# KiCad board Layer0.kicad_pcb (continued)
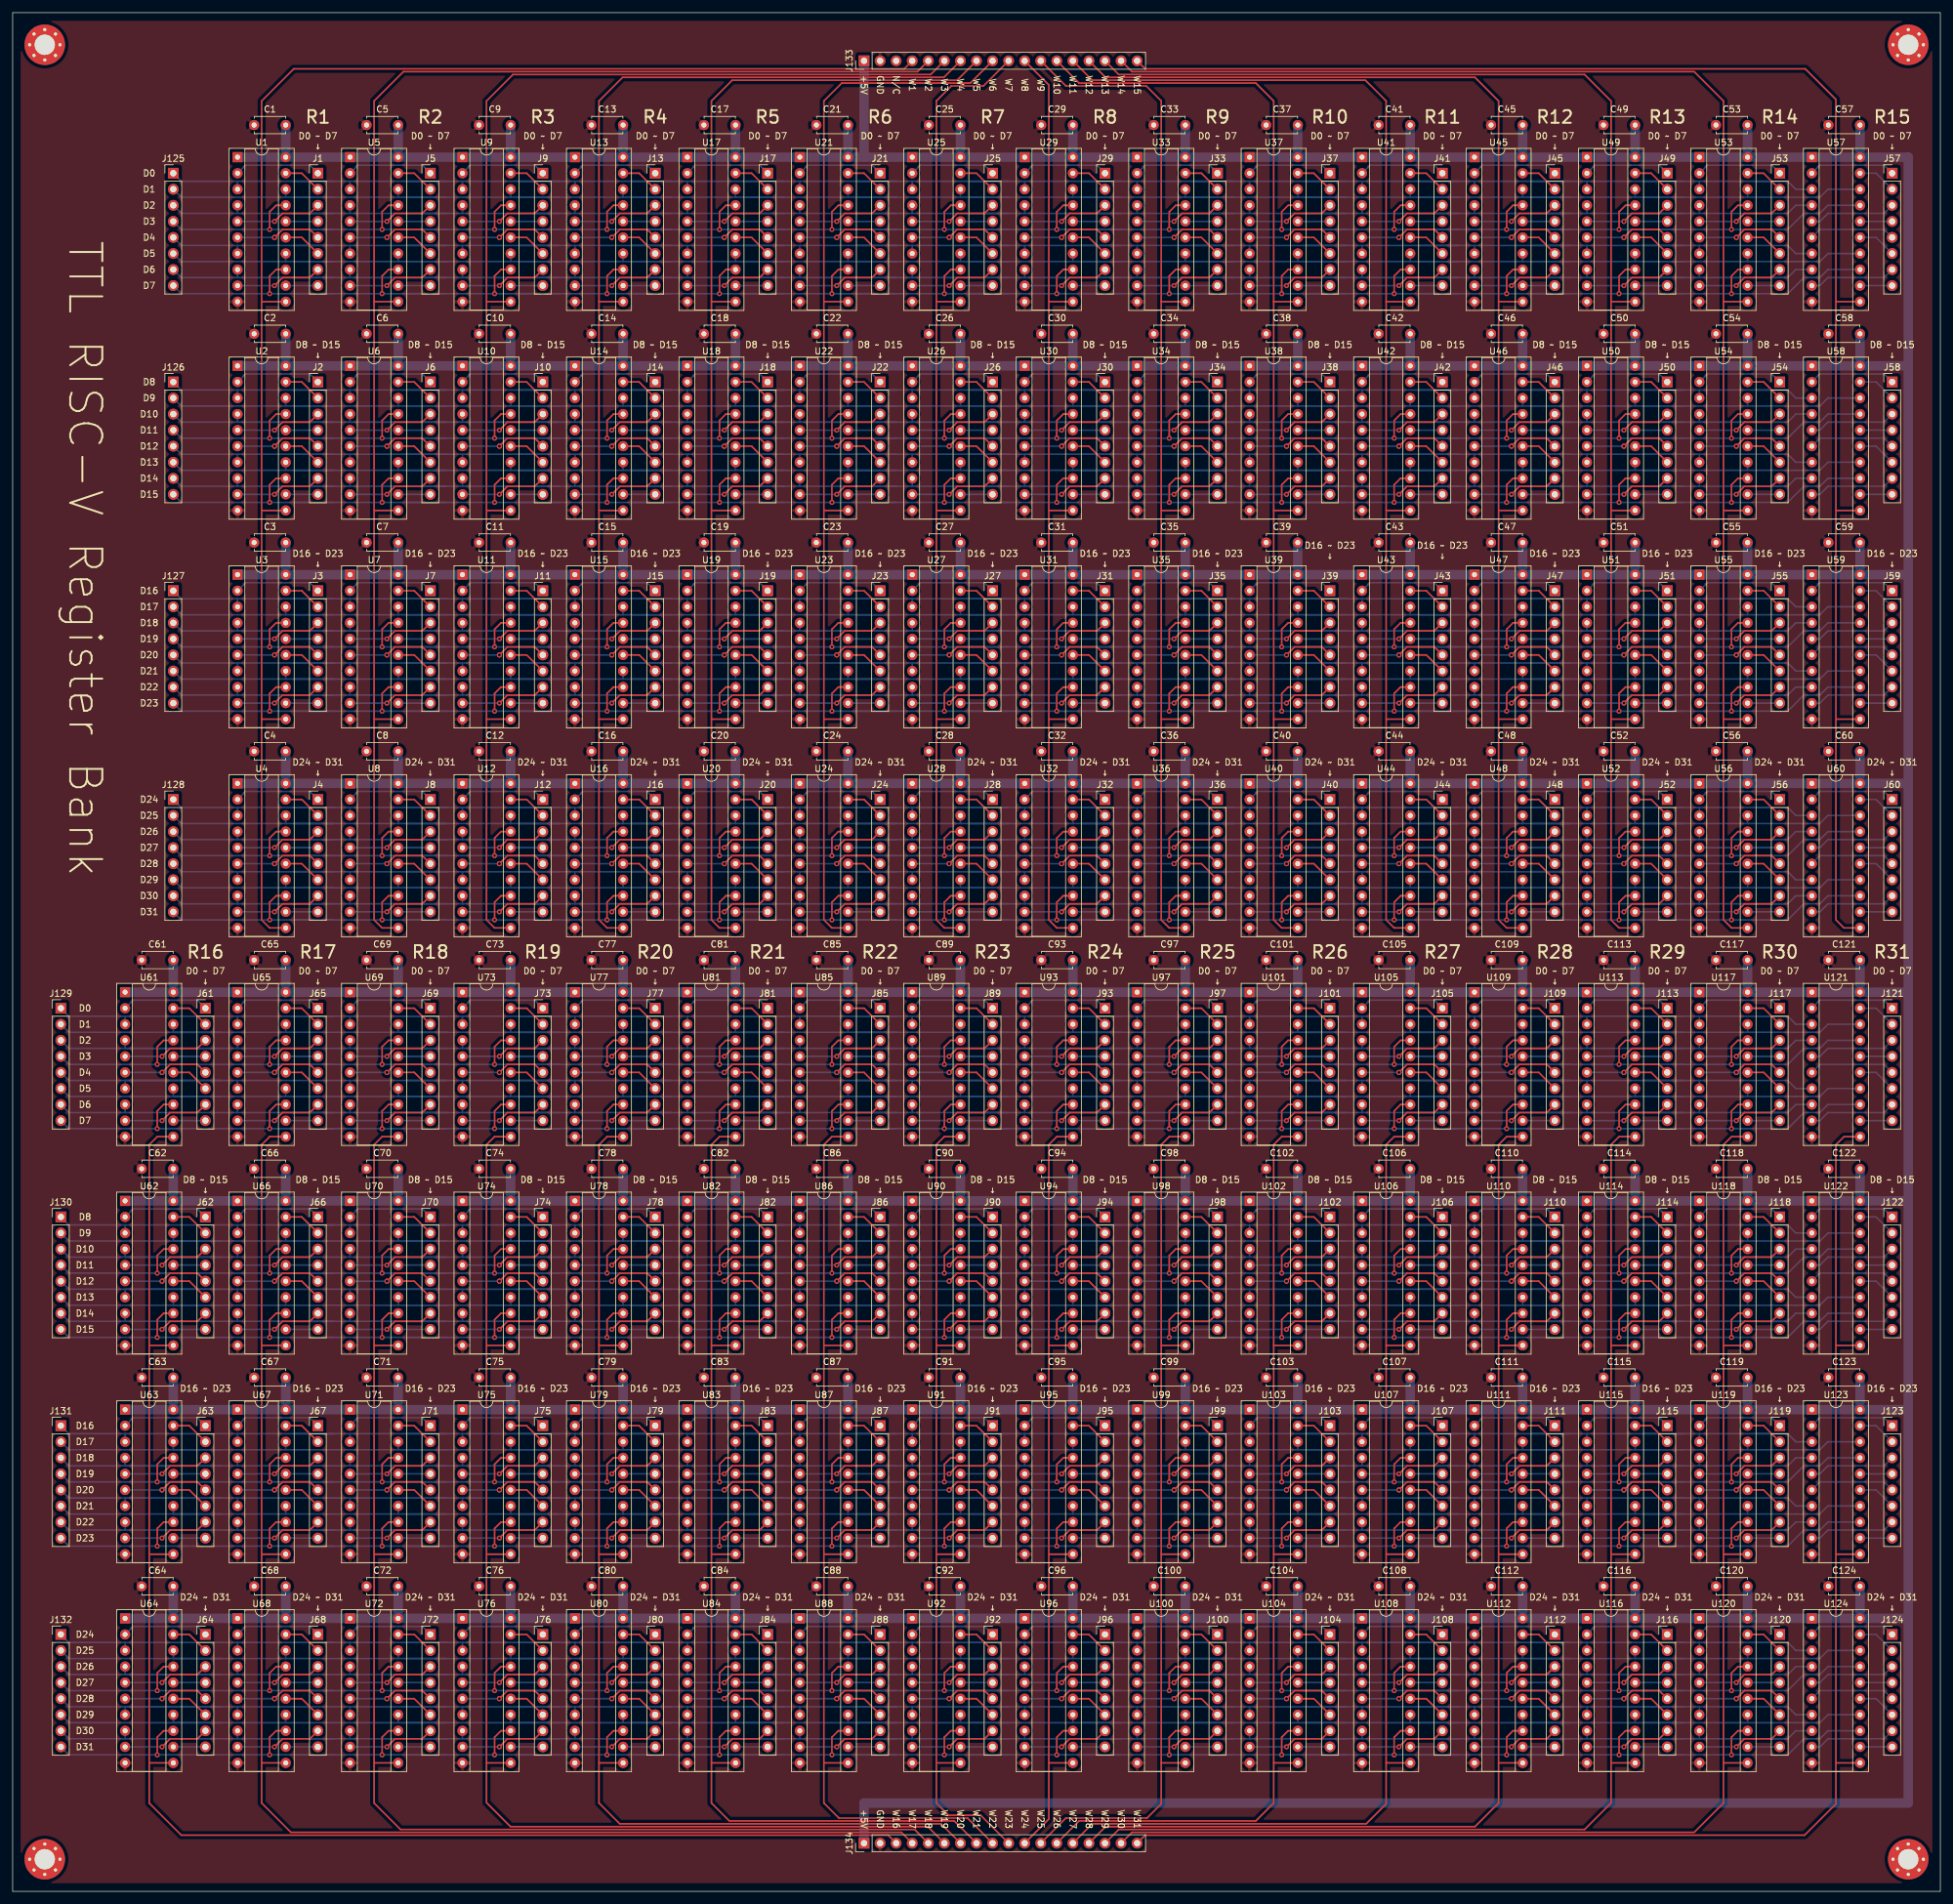
[diagram p0: board, top side]
## Routing (per net, layer and track width the routed paths; a pad name or vN(x,y) marks a point on that pad's centre or on a via; arc(x,y) is an arc through that point) (continued)
Net-(J78-Pad2): length 6.1
  Top w0.25: J78.2 99.06,106.68 U78.19
Net-(J78-Pad3): length 13.8
  Top w0.25: J78.3 100.33,100.33 96.01,100.33 v1(94.74,99.06)
  Bottom w0.25: U78.5 v1(94.74,99.06)
Net-(J78-Pad4): length 5.1
  Bottom w0.25: J78.4 U78.16
Net-(J78-Pad5): length 13.8
  Top w0.25: J78.5 100.33,97.79 96.01,97.79 v1(94.74,96.52)
  Bottom w0.25: U78.6 v1(94.74,96.52)
Net-(J78-Pad6): length 6.1
  Top w0.25: U78.15 99.06,96.52 J78.6
Net-(J78-Pad7): length 13.8
  Top w0.25: J78.7 100.33,90.17 96.01,90.17 v1(94.74,88.9)
  Bottom w0.25: U78.9 v1(94.74,88.9)
Net-(J78-Pad8): length 5.1
  Bottom w0.25: U78.12 J78.8
Net-(J79-Pad1): length 13.8
  Bottom w0.25: U79.2 90.17,74.93 100.33,74.93 J79.1
Net-(J79-Pad2): length 6.1
  Top w0.25: J79.2 99.06,73.66 U79.19
Net-(J79-Pad3): length 13.8
  Top w0.25: J79.3 100.33,67.31 96.01,67.31 v1(94.74,66.04)
  Bottom w0.25: U79.5 v1(94.74,66.04)
Net-(J79-Pad4): length 5.1
  Bottom w0.25: J79.4 U79.16
Net-(J79-Pad5): length 13.8
  Top w0.25: J79.5 100.33,64.77 96.01,64.77 v1(94.74,63.5)
  Bottom w0.25: U79.6 v1(94.74,63.5)
Net-(J79-Pad6): length 6.1
  Top w0.25: U79.15 99.06,63.5 J79.6
Net-(J79-Pad7): length 13.8
  Top w0.25: J79.7 100.33,57.15 96.01,57.15 v1(94.74,55.88)
  Bottom w0.25: U79.9 v1(94.74,55.88)
Net-(J79-Pad8): length 5.1
  Bottom w0.25: U79.12 J79.8
Net-(J80-Pad1): length 13.8
  Bottom w0.25: U80.2 90.17,41.91 100.33,41.91 J80.1
Net-(J80-Pad2): length 6.1
  Top w0.25: J80.2 99.06,40.64 U80.19
Net-(J80-Pad3): length 13.8
  Top w0.25: J80.3 100.33,34.29 96.01,34.29 v1(94.74,33.02)
  Bottom w0.25: U80.5 v1(94.74,33.02)
Net-(J80-Pad4): length 5.1
  Bottom w0.25: J80.4 U80.16
Net-(J80-Pad5): length 13.8
  Top w0.25: J80.5 100.33,31.75 96.01,31.75 v1(94.74,30.48)
  Bottom w0.25: U80.6 v1(94.74,30.48)
Net-(J80-Pad6): length 6.1
  Top w0.25: U80.15 99.06,30.48 J80.6
Net-(J80-Pad7): length 13.8
  Top w0.25: J80.7 100.33,24.13 96.01,24.13 v1(94.74,22.86)
  Bottom w0.25: U80.9 v1(94.74,22.86)
Net-(J80-Pad8): length 5.1
  Bottom w0.25: U80.12 J80.8
Net-(J81-Pad1): length 13.8
  Bottom w0.25: U81.2 107.95,140.97 118.11,140.97 J81.1
Net-(J81-Pad2): length 6.1
  Top w0.25: U81.19 116.84,139.7 J81.2
Net-(J81-Pad3): length 13.8
  Top w0.25: v1(112.52,132.08) 113.79,133.35 118.11,133.35 J81.3
  Bottom w0.25: U81.5 v1(112.52,132.08)
Net-(J81-Pad4): length 5.1
  Bottom w0.25: J81.4 U81.16
Net-(J81-Pad5): length 13.8
  Top w0.25: J81.5 118.11,130.81 113.79,130.81 v1(112.52,129.54)
  Bottom w0.25: U81.6 v1(112.52,129.54)
Net-(J81-Pad6): length 6.1
  Top w0.25: J81.6 116.84,129.54 U81.15
Net-(J81-Pad7): length 13.8
  Top w0.25: v1(112.52,121.92) 113.79,123.19 118.11,123.19 J81.7
  Bottom w0.25: U81.9 v1(112.52,121.92)
Net-(J81-Pad8): length 5.1
  Bottom w0.25: U81.12 J81.8
Net-(J82-Pad1): length 13.8
  Bottom w0.25: U82.2 107.95,107.95 118.11,107.95 J82.1
Net-(J82-Pad2): length 6.1
  Top w0.25: U82.19 116.84,106.68 J82.2
Net-(J82-Pad3): length 13.8
  Top w0.25: v1(112.52,99.06) 113.79,100.33 118.11,100.33 J82.3
  Bottom w0.25: U82.5 v1(112.52,99.06)
Net-(J82-Pad4): length 5.1
  Bottom w0.25: J82.4 U82.16
Net-(J82-Pad5): length 13.8
  Top w0.25: v1(112.52,96.52) 113.79,97.79 118.11,97.79 J82.5
  Bottom w0.25: U82.6 v1(112.52,96.52)
Net-(J82-Pad6): length 6.1
  Top w0.25: J82.6 116.84,96.52 U82.15
Net-(J82-Pad7): length 13.8
  Top w0.25: J82.7 118.11,90.17 113.79,90.17 v1(112.52,88.9)
  Bottom w0.25: U82.9 v1(112.52,88.9)
Net-(J82-Pad8): length 5.1
  Bottom w0.25: U82.12 J82.8
Net-(J83-Pad1): length 13.8
  Bottom w0.25: U83.2 107.95,74.93 118.11,74.93 J83.1
Net-(J83-Pad2): length 6.1
  Top w0.25: U83.19 116.84,73.66 J83.2
Net-(J83-Pad3): length 13.8
  Top w0.25: v1(112.52,66.04) 113.79,67.31 118.11,67.31 J83.3
  Bottom w0.25: U83.5 v1(112.52,66.04)
Net-(J83-Pad4): length 5.1
  Bottom w0.25: J83.4 U83.16
Net-(J83-Pad5): length 13.8
  Top w0.25: v1(112.52,63.5) 113.79,64.77 118.11,64.77 J83.5
  Bottom w0.25: U83.6 v1(112.52,63.5)
Net-(J83-Pad6): length 6.1
  Top w0.25: J83.6 116.84,63.5 U83.15
Net-(J83-Pad7): length 13.8
  Top w0.25: J83.7 118.11,57.15 113.79,57.15 v1(112.52,55.88)
  Bottom w0.25: U83.9 v1(112.52,55.88)
Net-(J83-Pad8): length 5.1
  Bottom w0.25: U83.12 J83.8
Net-(J84-Pad1): length 13.8
  Bottom w0.25: U84.2 107.95,41.91 118.11,41.91 J84.1
Net-(J84-Pad2): length 6.1
  Top w0.25: U84.19 116.84,40.64 J84.2
Net-(J84-Pad3): length 13.8
  Top w0.25: v1(112.52,33.02) 113.79,34.29 118.11,34.29 J84.3
  Bottom w0.25: U84.5 v1(112.52,33.02)
Net-(J84-Pad4): length 5.1
  Bottom w0.25: J84.4 U84.16
Net-(J84-Pad5): length 13.8
  Top w0.25: v1(112.52,30.48) 113.79,31.75 118.11,31.75 J84.5
  Bottom w0.25: U84.6 v1(112.52,30.48)
Net-(J84-Pad6): length 6.1
  Top w0.25: J84.6 116.84,30.48 U84.15
Net-(J84-Pad7): length 13.8
  Top w0.25: J84.7 118.11,24.13 113.79,24.13 v1(112.52,22.86)
  Bottom w0.25: U84.9 v1(112.52,22.86)
Net-(J84-Pad8): length 5.1
  Bottom w0.25: U84.12 J84.8
Net-(J85-Pad1): length 13.8
  Bottom w0.25: U85.2 125.73,140.97 135.89,140.97 J85.1
Net-(J85-Pad2): length 6.1
  Top w0.25: U85.19 134.62,139.7 J85.2
Net-(J85-Pad3): length 13.8
  Top w0.25: v1(130.3,132.08) 131.57,133.35 135.89,133.35 J85.3
  Bottom w0.25: U85.5 v1(130.3,132.08)
Net-(J85-Pad4): length 5.1
  Bottom w0.25: J85.4 U85.16
Net-(J85-Pad5): length 13.8
  Top w0.25: v1(130.3,129.54) 131.57,130.81 135.89,130.81 J85.5
  Bottom w0.25: U85.6 v1(130.3,129.54)
Net-(J85-Pad6): length 6.1
  Top w0.25: U85.15 134.62,129.54 J85.6
Net-(J85-Pad7): length 13.8
  Top w0.25: J85.7 135.89,123.19 131.57,123.19 v1(130.3,121.92)
  Bottom w0.25: U85.9 v1(130.3,121.92)
Net-(J85-Pad8): length 5.1
  Bottom w0.25: U85.12 J85.8
Net-(J86-Pad1): length 13.8
  Bottom w0.25: U86.2 125.73,107.95 135.89,107.95 J86.1
Net-(J86-Pad2): length 6.1
  Top w0.25: U86.19 134.62,106.68 J86.2
Net-(J86-Pad3): length 13.8
  Top w0.25: v1(130.3,99.06) 131.57,100.33 135.89,100.33 J86.3
  Bottom w0.25: U86.5 v1(130.3,99.06)
Net-(J86-Pad4): length 5.1
  Bottom w0.25: J86.4 U86.16
Net-(J86-Pad5): length 13.8
  Top w0.25: v1(130.3,96.52) 131.57,97.79 135.89,97.79 J86.5
  Bottom w0.25: U86.6 v1(130.3,96.52)
Net-(J86-Pad6): length 6.1
  Top w0.25: U86.15 134.62,96.52 J86.6
Net-(J86-Pad7): length 13.8
  Top w0.25: v1(130.3,88.9) 131.57,90.17 135.89,90.17 J86.7
  Bottom w0.25: U86.9 v1(130.3,88.9)
Net-(J86-Pad8): length 5.1
  Bottom w0.25: U86.12 J86.8
Net-(J87-Pad1): length 13.8
  Bottom w0.25: U87.2 125.73,74.93 135.89,74.93 J87.1
Net-(J87-Pad2): length 6.1
  Top w0.25: U87.19 134.62,73.66 J87.2
Net-(J87-Pad3): length 13.8
  Top w0.25: v1(130.3,66.04) 131.57,67.31 135.89,67.31 J87.3
  Bottom w0.25: U87.5 v1(130.3,66.04)
Net-(J87-Pad4): length 5.1
  Bottom w0.25: J87.4 U87.16
Net-(J87-Pad5): length 13.8
  Top w0.25: v1(130.3,63.5) 131.57,64.77 135.89,64.77 J87.5
  Bottom w0.25: U87.6 v1(130.3,63.5)
Net-(J87-Pad6): length 6.1
  Top w0.25: U87.15 134.62,63.5 J87.6
Net-(J87-Pad7): length 13.8
  Top w0.25: v1(130.3,55.88) 131.57,57.15 135.89,57.15 J87.7
  Bottom w0.25: U87.9 v1(130.3,55.88)
Net-(J87-Pad8): length 5.1
  Bottom w0.25: U87.12 J87.8
Net-(J88-Pad1): length 13.8
  Bottom w0.25: U88.2 125.73,41.91 135.89,41.91 J88.1
Net-(J88-Pad2): length 6.1
  Top w0.25: U88.19 134.62,40.64 J88.2
Net-(J88-Pad3): length 13.8
  Top w0.25: v1(130.3,33.02) 131.57,34.29 135.89,34.29 J88.3
  Bottom w0.25: U88.5 v1(130.3,33.02)
Net-(J88-Pad4): length 5.1
  Bottom w0.25: J88.4 U88.16
Net-(J88-Pad5): length 13.8
  Top w0.25: v1(130.3,30.48) 131.57,31.75 135.89,31.75 J88.5
  Bottom w0.25: U88.6 v1(130.3,30.48)
Net-(J88-Pad6): length 6.1
  Top w0.25: U88.15 134.62,30.48 J88.6
Net-(J88-Pad7): length 13.8
  Top w0.25: v1(130.3,22.86) 131.57,24.13 135.89,24.13 J88.7
  Bottom w0.25: U88.9 v1(130.3,22.86)
Net-(J88-Pad8): length 5.1
  Bottom w0.25: U88.12 J88.8
Net-(J89-Pad1): length 13.8
  Bottom w0.25: U89.2 143.51,140.97 153.67,140.97 J89.1
Net-(J89-Pad2): length 6.1
  Top w0.25: U89.19 152.4,139.7 J89.2
Net-(J89-Pad3): length 13.8
  Top w0.25: v1(148.08,132.08) 149.35,133.35 153.67,133.35 J89.3
  Bottom w0.25: U89.5 v1(148.08,132.08)
Net-(J89-Pad4): length 5.1
  Bottom w0.25: J89.4 U89.16
Net-(J89-Pad5): length 13.8
  Top w0.25: J89.5 153.67,130.81 149.35,130.81 v1(148.08,129.54)
  Bottom w0.25: U89.6 v1(148.08,129.54)
Net-(J89-Pad6): length 6.1
  Top w0.25: J89.6 152.4,129.54 U89.15
Net-(J89-Pad7): length 13.8
  Top w0.25: v1(148.08,121.92) 149.35,123.19 153.67,123.19 J89.7
  Bottom w0.25: U89.9 v1(148.08,121.92)
Net-(J89-Pad8): length 5.1
  Bottom w0.25: U89.12 J89.8
Net-(J90-Pad1): length 13.8
  Bottom w0.25: U90.2 143.51,107.95 153.67,107.95 J90.1
Net-(J90-Pad2): length 6.1
  Top w0.25: J90.2 152.4,106.68 U90.19
Net-(J90-Pad3): length 13.8
  Top w0.25: v1(148.08,99.06) 149.35,100.33 153.67,100.33 J90.3
  Bottom w0.25: U90.5 v1(148.08,99.06)
Net-(J90-Pad4): length 5.1
  Bottom w0.25: J90.4 U90.16
Net-(J90-Pad5): length 13.8
  Top w0.25: v1(148.08,96.52) 149.35,97.79 153.67,97.79 J90.5
  Bottom w0.25: U90.6 v1(148.08,96.52)
Net-(J90-Pad6): length 6.1
  Top w0.25: J90.6 152.4,96.52 U90.15
Net-(J90-Pad7): length 13.8
  Top w0.25: v1(148.08,88.9) 149.35,90.17 153.67,90.17 J90.7
  Bottom w0.25: U90.9 v1(148.08,88.9)
Net-(J90-Pad8): length 5.1
  Bottom w0.25: U90.12 J90.8
Net-(J91-Pad1): length 13.8
  Bottom w0.25: U91.2 143.51,74.93 153.67,74.93 J91.1
Net-(J91-Pad2): length 6.1
  Top w0.25: J91.2 152.4,73.66 U91.19
Net-(J91-Pad3): length 13.8
  Top w0.25: v1(148.08,66.04) 149.35,67.31 153.67,67.31 J91.3
  Bottom w0.25: U91.5 v1(148.08,66.04)
Net-(J91-Pad4): length 5.1
  Bottom w0.25: J91.4 U91.16
Net-(J91-Pad5): length 13.8
  Top w0.25: v1(148.08,63.5) 149.35,64.77 153.67,64.77 J91.5
  Bottom w0.25: U91.6 v1(148.08,63.5)
Net-(J91-Pad6): length 6.1
  Top w0.25: J91.6 152.4,63.5 U91.15
Net-(J91-Pad7): length 13.8
  Top w0.25: v1(148.08,55.88) 149.35,57.15 153.67,57.15 J91.7
  Bottom w0.25: U91.9 v1(148.08,55.88)
Net-(J91-Pad8): length 5.1
  Bottom w0.25: U91.12 J91.8
Net-(J92-Pad1): length 13.8
  Bottom w0.25: U92.2 143.51,41.91 153.67,41.91 J92.1
Net-(J92-Pad2): length 6.1
  Top w0.25: J92.2 152.4,40.64 U92.19
Net-(J92-Pad3): length 13.8
  Top w0.25: v1(148.08,33.02) 149.35,34.29 153.67,34.29 J92.3
  Bottom w0.25: U92.5 v1(148.08,33.02)
Net-(J92-Pad4): length 5.1
  Bottom w0.25: J92.4 U92.16
Net-(J92-Pad5): length 13.8
  Top w0.25: v1(148.08,30.48) 149.35,31.75 153.67,31.75 J92.5
  Bottom w0.25: U92.6 v1(148.08,30.48)
Net-(J92-Pad6): length 6.1
  Top w0.25: J92.6 152.4,30.48 U92.15
Net-(J92-Pad7): length 13.8
  Top w0.25: v1(148.08,22.86) 149.35,24.13 153.67,24.13 J92.7
  Bottom w0.25: U92.9 v1(148.08,22.86)
Net-(J92-Pad8): length 5.1
  Bottom w0.25: U92.12 J92.8
Net-(J93-Pad1): length 13.8
  Bottom w0.25: J93.1 171.45,140.97 161.29,140.97 U93.2
Net-(J93-Pad2): length 6.1
  Top w0.25: U93.19 170.18,139.7 J93.2
Net-(J93-Pad3): length 13.8
  Top w0.25: J93.3 171.45,133.35 167.13,133.35 v1(165.86,132.08)
  Bottom w0.25: U93.5 v1(165.86,132.08)
Net-(J93-Pad4): length 5.1
  Bottom w0.25: J93.4 U93.16
Net-(J93-Pad5): length 13.8
  Top w0.25: v1(165.86,129.54) 167.13,130.81 171.45,130.81 J93.5
  Bottom w0.25: U93.6 v1(165.86,129.54)
Net-(J93-Pad6): length 6.1
  Top w0.25: U93.15 170.18,129.54 J93.6
Net-(J93-Pad7): length 13.8
  Top w0.25: J93.7 171.45,123.19 167.13,123.19 v1(165.86,121.92)
  Bottom w0.25: U93.9 v1(165.86,121.92)
Net-(J93-Pad8): length 5.1
  Bottom w0.25: U93.12 J93.8
Net-(J94-Pad1): length 13.8
  Bottom w0.25: J94.1 171.45,107.95 161.29,107.95 U94.2
Net-(J94-Pad2): length 6.1
  Top w0.25: U94.19 170.18,106.68 J94.2
Net-(J94-Pad3): length 13.8
  Top w0.25: J94.3 171.45,100.33 167.13,100.33 v1(165.86,99.06)
  Bottom w0.25: U94.5 v1(165.86,99.06)
Net-(J94-Pad4): length 5.1
  Bottom w0.25: J94.4 U94.16
Net-(J94-Pad5): length 13.8
  Top w0.25: v1(165.86,96.52) 167.13,97.79 171.45,97.79 J94.5
  Bottom w0.25: U94.6 v1(165.86,96.52)
Net-(J94-Pad6): length 6.1
  Top w0.25: U94.15 170.18,96.52 J94.6
Net-(J94-Pad7): length 13.8
  Top w0.25: J94.7 171.45,90.17 167.13,90.17 v1(165.86,88.9)
  Bottom w0.25: U94.9 v1(165.86,88.9)
Net-(J94-Pad8): length 5.1
  Bottom w0.25: U94.12 J94.8
Net-(J95-Pad1): length 13.8
  Bottom w0.25: J95.1 171.45,74.93 161.29,74.93 U95.2
Net-(J95-Pad2): length 6.1
  Top w0.25: U95.19 170.18,73.66 J95.2
Net-(J95-Pad3): length 13.8
  Top w0.25: J95.3 171.45,67.31 167.13,67.31 v1(165.86,66.04)
  Bottom w0.25: U95.5 v1(165.86,66.04)
Net-(J95-Pad4): length 5.1
  Bottom w0.25: J95.4 U95.16
Net-(J95-Pad5): length 13.8
  Top w0.25: v1(165.86,63.5) 167.13,64.77 171.45,64.77 J95.5
  Bottom w0.25: U95.6 v1(165.86,63.5)
Net-(J95-Pad6): length 6.1
  Top w0.25: U95.15 170.18,63.5 J95.6
Net-(J95-Pad7): length 13.8
  Top w0.25: J95.7 171.45,57.15 167.13,57.15 v1(165.86,55.88)
  Bottom w0.25: U95.9 v1(165.86,55.88)
Net-(J95-Pad8): length 5.1
  Bottom w0.25: U95.12 J95.8
Net-(J96-Pad1): length 13.8
  Bottom w0.25: J96.1 171.45,41.91 161.29,41.91 U96.2
Net-(J96-Pad2): length 6.1
  Top w0.25: U96.19 170.18,40.64 J96.2
Net-(J96-Pad3): length 13.8
  Top w0.25: J96.3 171.45,34.29 167.13,34.29 v1(165.86,33.02)
  Bottom w0.25: U96.5 v1(165.86,33.02)
Net-(J96-Pad4): length 5.1
  Bottom w0.25: J96.4 U96.16
Net-(J96-Pad5): length 13.8
  Top w0.25: v1(165.86,30.48) 167.13,31.75 171.45,31.75 J96.5
  Bottom w0.25: U96.6 v1(165.86,30.48)
Net-(J96-Pad6): length 6.1
  Top w0.25: U96.15 170.18,30.48 J96.6
Net-(J96-Pad7): length 13.8
  Top w0.25: J96.7 171.45,24.13 167.13,24.13 v1(165.86,22.86)
  Bottom w0.25: U96.9 v1(165.86,22.86)
Net-(J96-Pad8): length 5.1
  Bottom w0.25: U96.12 J96.8
Net-(J97-Pad1): length 13.8
  Bottom w0.25: J97.1 189.23,140.97 179.07,140.97 U97.2
Net-(J97-Pad2): length 6.1
  Top w0.25: J97.2 187.96,139.7 U97.19
Net-(J97-Pad3): length 13.8
  Top w0.25: J97.3 189.23,133.35 184.91,133.35 v1(183.64,132.08)
  Bottom w0.25: U97.5 v1(183.64,132.08)
Net-(J97-Pad4): length 5.1
  Bottom w0.25: J97.4 U97.16
Net-(J97-Pad5): length 13.8
  Top w0.25: v1(183.64,129.54) 184.91,130.81 189.23,130.81 J97.5
  Bottom w0.25: U97.6 v1(183.64,129.54)
Net-(J97-Pad6): length 6.1
  Top w0.25: U97.15 187.96,129.54 J97.6
Net-(J97-Pad7): length 13.8
  Top w0.25: v1(183.64,121.92) 184.91,123.19 189.23,123.19 J97.7
  Bottom w0.25: U97.9 v1(183.64,121.92)
Net-(J97-Pad8): length 5.1
  Bottom w0.25: U97.12 J97.8
Net-(J98-Pad1): length 13.8
  Bottom w0.25: J98.1 189.23,107.95 179.07,107.95 U98.2
Net-(J98-Pad2): length 6.1
  Top w0.25: J98.2 187.96,106.68 U98.19
Net-(J98-Pad3): length 13.8
  Top w0.25: J98.3 189.23,100.33 184.91,100.33 v1(183.64,99.06)
  Bottom w0.25: U98.5 v1(183.64,99.06)
Net-(J98-Pad4): length 5.1
  Bottom w0.25: J98.4 U98.16
Net-(J98-Pad5): length 13.8
  Top w0.25: v1(183.64,96.52) 184.91,97.79 189.23,97.79 J98.5
  Bottom w0.25: U98.6 v1(183.64,96.52)
Net-(J98-Pad6): length 6.1
  Top w0.25: U98.15 187.96,96.52 J98.6
Net-(J98-Pad7): length 13.8
  Top w0.25: v1(183.64,88.9) 184.91,90.17 189.23,90.17 J98.7
  Bottom w0.25: U98.9 v1(183.64,88.9)
Net-(J98-Pad8): length 5.1
  Bottom w0.25: U98.12 J98.8
Net-(J99-Pad1): length 13.8
  Bottom w0.25: J99.1 189.23,74.93 179.07,74.93 U99.2
Net-(J99-Pad2): length 6.1
  Top w0.25: J99.2 187.96,73.66 U99.19
Net-(J99-Pad3): length 13.8
  Top w0.25: J99.3 189.23,67.31 184.91,67.31 v1(183.64,66.04)
  Bottom w0.25: U99.5 v1(183.64,66.04)
Net-(J99-Pad4): length 5.1
  Bottom w0.25: J99.4 U99.16
Net-(J99-Pad5): length 13.8
  Top w0.25: v1(183.64,63.5) 184.91,64.77 189.23,64.77 J99.5
  Bottom w0.25: U99.6 v1(183.64,63.5)
Net-(J99-Pad6): length 6.1
  Top w0.25: U99.15 187.96,63.5 J99.6
Net-(J99-Pad7): length 13.8
  Top w0.25: v1(183.64,55.88) 184.91,57.15 189.23,57.15 J99.7
  Bottom w0.25: U99.9 v1(183.64,55.88)
Net-(J99-Pad8): length 5.1
  Bottom w0.25: U99.12 J99.8
Net-(J100-Pad1): length 13.8
  Bottom w0.25: J100.1 189.23,41.91 179.07,41.91 U100.2
Net-(J100-Pad2): length 6.1
  Top w0.25: J100.2 187.96,40.64 U100.19
Net-(J100-Pad3): length 13.8
  Top w0.25: J100.3 189.23,34.29 184.91,34.29 v1(183.64,33.02)
  Bottom w0.25: U100.5 v1(183.64,33.02)
Net-(J100-Pad4): length 5.1
  Bottom w0.25: J100.4 U100.16
Net-(J100-Pad5): length 13.8
  Top w0.25: v1(183.64,30.48) 184.91,31.75 189.23,31.75 J100.5
  Bottom w0.25: U100.6 v1(183.64,30.48)
Net-(J100-Pad6): length 6.1
  Top w0.25: U100.15 187.96,30.48 J100.6
Net-(J100-Pad7): length 13.8
  Top w0.25: v1(183.64,22.86) 184.91,24.13 189.23,24.13 J100.7
  Bottom w0.25: U100.9 v1(183.64,22.86)
Net-(J100-Pad8): length 5.1
  Bottom w0.25: U100.12 J100.8
Net-(J101-Pad1): length 13.8
  Bottom w0.25: J101.1 207.01,140.97 196.85,140.97 U101.2
Net-(J101-Pad2): length 6.1
  Top w0.25: J101.2 205.74,139.7 U101.19
Net-(J101-Pad3): length 13.8
  Top w0.25: J101.3 207.01,133.35 202.69,133.35 v1(201.42,132.08)
  Bottom w0.25: U101.5 v1(201.42,132.08)
Net-(J101-Pad4): length 5.1
  Bottom w0.25: J101.4 U101.16
Net-(J101-Pad5): length 13.8
  Top w0.25: v1(201.42,129.54) 202.69,130.81 207.01,130.81 J101.5
  Bottom w0.25: U101.6 v1(201.42,129.54)
Net-(J101-Pad6): length 6.1
  Top w0.25: U101.15 205.74,129.54 J101.6
Net-(J101-Pad7): length 13.8
  Top w0.25: J101.7 207.01,123.19 202.69,123.19 v1(201.42,121.92)
  Bottom w0.25: U101.9 v1(201.42,121.92)
Net-(J101-Pad8): length 5.1
  Bottom w0.25: U101.12 J101.8
Net-(J102-Pad1): length 13.8
  Bottom w0.25: J102.1 207.01,107.95 196.85,107.95 U102.2
Net-(J102-Pad2): length 6.1
  Top w0.25: J102.2 205.74,106.68 U102.19
Net-(J102-Pad3): length 13.8
  Top w0.25: J102.3 207.01,100.33 202.69,100.33 v1(201.42,99.06)
  Bottom w0.25: U102.5 v1(201.42,99.06)
Net-(J102-Pad4): length 5.1
  Bottom w0.25: J102.4 U102.16
Net-(J102-Pad5): length 13.8
  Top w0.25: v1(201.42,96.52) 202.69,97.79 207.01,97.79 J102.5
  Bottom w0.25: U102.6 v1(201.42,96.52)
Net-(J102-Pad6): length 6.1
  Top w0.25: U102.15 205.74,96.52 J102.6
Net-(J102-Pad7): length 13.8
  Top w0.25: J102.7 207.01,90.17 202.69,90.17 v1(201.42,88.9)
  Bottom w0.25: U102.9 v1(201.42,88.9)
Net-(J102-Pad8): length 5.1
  Bottom w0.25: U102.12 J102.8
Net-(J103-Pad1): length 13.8
  Bottom w0.25: J103.1 207.01,74.93 196.85,74.93 U103.2
Net-(J103-Pad2): length 6.1
  Top w0.25: J103.2 205.74,73.66 U103.19
Net-(J103-Pad3): length 13.8
  Top w0.25: J103.3 207.01,67.31 202.69,67.31 v1(201.42,66.04)
  Bottom w0.25: U103.5 v1(201.42,66.04)
Net-(J103-Pad4): length 5.1
  Bottom w0.25: J103.4 U103.16
Net-(J103-Pad5): length 13.8
  Top w0.25: v1(201.42,63.5) 202.69,64.77 207.01,64.77 J103.5
  Bottom w0.25: U103.6 v1(201.42,63.5)
Net-(J103-Pad6): length 6.1
  Top w0.25: U103.15 205.74,63.5 J103.6
Net-(J103-Pad7): length 13.8
  Top w0.25: J103.7 207.01,57.15 202.69,57.15 v1(201.42,55.88)
  Bottom w0.25: U103.9 v1(201.42,55.88)
Net-(J103-Pad8): length 5.1
  Bottom w0.25: U103.12 J103.8
Net-(J104-Pad1): length 13.8
  Bottom w0.25: J104.1 207.01,41.91 196.85,41.91 U104.2
Net-(J104-Pad2): length 6.1
  Top w0.25: J104.2 205.74,40.64 U104.19
Net-(J104-Pad3): length 13.8
  Top w0.25: J104.3 207.01,34.29 202.69,34.29 v1(201.42,33.02)
  Bottom w0.25: U104.5 v1(201.42,33.02)
Net-(J104-Pad4): length 5.1
  Bottom w0.25: J104.4 U104.16
Net-(J104-Pad5): length 13.8
  Top w0.25: v1(201.42,30.48) 202.69,31.75 207.01,31.75 J104.5
  Bottom w0.25: U104.6 v1(201.42,30.48)
Net-(J104-Pad6): length 6.1
  Top w0.25: U104.15 205.74,30.48 J104.6
Net-(J104-Pad7): length 13.8
  Top w0.25: J104.7 207.01,24.13 202.69,24.13 v1(201.42,22.86)
  Bottom w0.25: U104.9 v1(201.42,22.86)
Net-(J104-Pad8): length 5.1
  Bottom w0.25: U104.12 J104.8
Net-(J105-Pad1): length 13.8
  Bottom w0.25: J105.1 224.79,140.97 214.63,140.97 U105.2
Net-(J105-Pad2): length 6.1
  Top w0.25: J105.2 223.52,139.7 U105.19
Net-(J105-Pad3): length 13.8
  Top w0.25: J105.3 224.79,133.35 220.47,133.35 v1(219.2,132.08)
  Bottom w0.25: U105.5 v1(219.2,132.08)
Net-(J105-Pad4): length 5.1
  Bottom w0.25: J105.4 U105.16
Net-(J105-Pad5): length 13.8
  Top w0.25: J105.5 224.79,130.81 220.47,130.81 v1(219.2,129.54)
  Bottom w0.25: U105.6 v1(219.2,129.54)
Net-(J105-Pad6): length 6.1
  Top w0.25: U105.15 223.52,129.54 J105.6
Net-(J105-Pad7): length 13.8
  Top w0.25: J105.7 224.79,123.19 220.47,123.19 v1(219.2,121.92)
  Bottom w0.25: U105.9 v1(219.2,121.92)
Net-(J105-Pad8): length 5.1
  Bottom w0.25: U105.12 J105.8
Net-(J106-Pad1): length 13.8
  Bottom w0.25: J106.1 224.79,107.95 214.63,107.95 U106.2
Net-(J106-Pad2): length 6.1
  Top w0.25: J106.2 223.52,106.68 U106.19
Net-(J106-Pad3): length 13.8
  Top w0.25: J106.3 224.79,100.33 220.47,100.33 v1(219.2,99.06)
  Bottom w0.25: U106.5 v1(219.2,99.06)
Net-(J106-Pad4): length 5.1
  Bottom w0.25: J106.4 U106.16
Net-(J106-Pad5): length 13.8
  Top w0.25: J106.5 224.79,97.79 220.47,97.79 v1(219.2,96.52)
  Bottom w0.25: U106.6 v1(219.2,96.52)
Net-(J106-Pad6): length 6.1
  Top w0.25: U106.15 223.52,96.52 J106.6
Net-(J106-Pad7): length 13.8
  Top w0.25: J106.7 224.79,90.17 220.47,90.17 v1(219.2,88.9)
  Bottom w0.25: U106.9 v1(219.2,88.9)
Net-(J106-Pad8): length 5.1
  Bottom w0.25: U106.12 J106.8
Net-(J107-Pad1): length 13.8
  Bottom w0.25: J107.1 224.79,74.93 214.63,74.93 U107.2
Net-(J107-Pad2): length 6.1
  Top w0.25: J107.2 223.52,73.66 U107.19
Net-(J107-Pad3): length 13.8
  Top w0.25: J107.3 224.79,67.31 220.47,67.31 v1(219.2,66.04)
  Bottom w0.25: U107.5 v1(219.2,66.04)
Net-(J107-Pad4): length 5.1
  Bottom w0.25: J107.4 U107.16
Net-(J107-Pad5): length 13.8
  Top w0.25: J107.5 224.79,64.77 220.47,64.77 v1(219.2,63.5)
  Bottom w0.25: U107.6 v1(219.2,63.5)
Net-(J107-Pad6): length 6.1
  Top w0.25: U107.15 223.52,63.5 J107.6
Net-(J107-Pad7): length 13.8
  Top w0.25: J107.7 224.79,57.15 220.47,57.15 v1(219.2,55.88)
  Bottom w0.25: U107.9 v1(219.2,55.88)
Net-(J107-Pad8): length 5.1
  Bottom w0.25: U107.12 J107.8
Net-(J108-Pad1): length 13.8
  Bottom w0.25: J108.1 224.79,41.91 214.63,41.91 U108.2
Net-(J108-Pad2): length 6.1
  Top w0.25: J108.2 223.52,40.64 U108.19
Net-(J108-Pad3): length 13.8
  Top w0.25: J108.3 224.79,34.29 220.47,34.29 v1(219.2,33.02)
  Bottom w0.25: U108.5 v1(219.2,33.02)
Net-(J108-Pad4): length 5.1
  Bottom w0.25: J108.4 U108.16
Net-(J108-Pad5): length 13.8
  Top w0.25: J108.5 224.79,31.75 220.47,31.75 v1(219.2,30.48)
  Bottom w0.25: U108.6 v1(219.2,30.48)
Net-(J108-Pad6): length 6.1
  Top w0.25: U108.15 223.52,30.48 J108.6
Net-(J108-Pad7): length 13.8
  Top w0.25: J108.7 224.79,24.13 220.47,24.13 v1(219.2,22.86)
  Bottom w0.25: U108.9 v1(219.2,22.86)
Net-(J108-Pad8): length 5.1
  Bottom w0.25: U108.12 J108.8
Net-(J109-Pad1): length 13.8
  Bottom w0.25: U109.2 232.41,140.97 242.57,140.97 J109.1
Net-(J109-Pad2): length 6.1
  Top w0.25: J109.2 241.3,139.7 U109.19
Net-(J109-Pad3): length 13.8
  Top w0.25: v1(236.98,132.08) 238.25,133.35 242.57,133.35 J109.3
  Bottom w0.25: U109.5 v1(236.98,132.08)
Net-(J109-Pad4): length 5.1
  Bottom w0.25: J109.4 U109.16
Net-(J109-Pad5): length 13.8
  Top w0.25: J109.5 242.57,130.81 238.25,130.81 v1(236.98,129.54)
  Bottom w0.25: U109.6 v1(236.98,129.54)
Net-(J109-Pad6): length 6.1
  Top w0.25: U109.15 241.3,129.54 J109.6
Net-(J109-Pad7): length 13.8
  Top w0.25: J109.7 242.57,123.19 238.25,123.19 v1(236.98,121.92)
  Bottom w0.25: U109.9 v1(236.98,121.92)
Net-(J109-Pad8): length 5.1
  Bottom w0.25: U109.12 J109.8
Net-(J110-Pad1): length 13.8
  Bottom w0.25: U110.2 232.41,107.95 242.57,107.95 J110.1
Net-(J110-Pad2): length 6.1
  Top w0.25: J110.2 241.3,106.68 U110.19
Net-(J110-Pad3): length 13.8
  Top w0.25: v1(236.98,99.06) 238.25,100.33 242.57,100.33 J110.3
  Bottom w0.25: U110.5 v1(236.98,99.06)
Net-(J110-Pad4): length 5.1
  Bottom w0.25: J110.4 U110.16
Net-(J110-Pad5): length 13.8
  Top w0.25: J110.5 242.57,97.79 238.25,97.79 v1(236.98,96.52)
  Bottom w0.25: U110.6 v1(236.98,96.52)
Net-(J110-Pad6): length 6.1
  Top w0.25: U110.15 241.3,96.52 J110.6
Net-(J110-Pad7): length 13.8
  Top w0.25: J110.7 242.57,90.17 238.25,90.17 v1(236.98,88.9)
  Bottom w0.25: U110.9 v1(236.98,88.9)
Net-(J110-Pad8): length 5.1
  Bottom w0.25: U110.12 J110.8
Net-(J111-Pad1): length 13.8
  Bottom w0.25: U111.2 232.41,74.93 242.57,74.93 J111.1
Net-(J111-Pad2): length 6.1
  Top w0.25: J111.2 241.3,73.66 U111.19
Net-(J111-Pad3): length 13.8
  Top w0.25: v1(236.98,66.04) 238.25,67.31 242.57,67.31 J111.3
  Bottom w0.25: U111.5 v1(236.98,66.04)
Net-(J111-Pad4): length 5.1
  Bottom w0.25: J111.4 U111.16
Net-(J111-Pad5): length 13.8
  Top w0.25: J111.5 242.57,64.77 238.25,64.77 v1(236.98,63.5)
  Bottom w0.25: U111.6 v1(236.98,63.5)
Net-(J111-Pad6): length 6.1
  Top w0.25: U111.15 241.3,63.5 J111.6
Net-(J111-Pad7): length 13.8
  Top w0.25: J111.7 242.57,57.15 238.25,57.15 v1(236.98,55.88)
  Bottom w0.25: U111.9 v1(236.98,55.88)
Net-(J111-Pad8): length 5.1
  Bottom w0.25: U111.12 J111.8
Net-(J112-Pad1): length 13.8
  Bottom w0.25: U112.2 232.41,41.91 242.57,41.91 J112.1
Net-(J112-Pad2): length 6.1
  Top w0.25: J112.2 241.3,40.64 U112.19
Net-(J112-Pad3): length 13.8
  Top w0.25: v1(236.98,33.02) 238.25,34.29 242.57,34.29 J112.3
  Bottom w0.25: U112.5 v1(236.98,33.02)
Net-(J112-Pad4): length 5.1
  Bottom w0.25: J112.4 U112.16
Net-(J112-Pad5): length 13.8
  Top w0.25: J112.5 242.57,31.75 238.25,31.75 v1(236.98,30.48)
  Bottom w0.25: U112.6 v1(236.98,30.48)
Net-(J112-Pad6): length 6.1
  Top w0.25: U112.15 241.3,30.48 J112.6
Net-(J112-Pad7): length 13.8
  Top w0.25: J112.7 242.57,24.13 238.25,24.13 v1(236.98,22.86)
  Bottom w0.25: U112.9 v1(236.98,22.86)
Net-(J112-Pad8): length 5.1
  Bottom w0.25: U112.12 J112.8
Net-(J113-Pad1): length 13.8
  Bottom w0.25: J113.1 260.35,140.97 250.19,140.97 U113.2
Net-(J113-Pad2): length 6.1
  Top w0.25: J113.2 259.08,139.7 U113.19
Net-(J113-Pad3): length 13.8
  Top w0.25: v1(254.76,132.08) 256.03,133.35 260.35,133.35 J113.3
  Bottom w0.25: U113.5 v1(254.76,132.08)
Net-(J113-Pad4): length 5.1
  Bottom w0.25: J113.4 U113.16
Net-(J113-Pad5): length 13.8
  Top w0.25: J113.5 260.35,130.81 256.03,130.81 v1(254.76,129.54)
  Bottom w0.25: U113.6 v1(254.76,129.54)
Net-(J113-Pad6): length 6.1
  Top w0.25: U113.15 259.08,129.54 J113.6
Net-(J113-Pad7): length 13.8
  Top w0.25: v1(254.76,121.92) 256.03,123.19 260.35,123.19 J113.7
  Bottom w0.25: U113.9 v1(254.76,121.92)
Net-(J113-Pad8): length 5.1
  Bottom w0.25: U113.12 J113.8
Net-(J114-Pad1): length 13.8
  Bottom w0.25: J114.1 260.35,107.95 250.19,107.95 U114.2
Net-(J114-Pad2): length 6.1
  Top w0.25: J114.2 259.08,106.68 U114.19
Net-(J114-Pad3): length 13.8
  Top w0.25: v1(254.76,99.06) 256.03,100.33 260.35,100.33 J114.3
  Bottom w0.25: U114.5 v1(254.76,99.06)
Net-(J114-Pad4): length 5.1
  Bottom w0.25: J114.4 U114.16
Net-(J114-Pad5): length 13.8
  Top w0.25: J114.5 260.35,97.79 256.03,97.79 v1(254.76,96.52)
  Bottom w0.25: U114.6 v1(254.76,96.52)
Net-(J114-Pad6): length 6.1
  Top w0.25: U114.15 259.08,96.52 J114.6
Net-(J114-Pad7): length 13.8
  Top w0.25: v1(254.76,88.9) 256.03,90.17 260.35,90.17 J114.7
  Bottom w0.25: U114.9 v1(254.76,88.9)
Net-(J114-Pad8): length 5.1
  Bottom w0.25: U114.12 J114.8
Net-(J115-Pad1): length 13.8
  Bottom w0.25: J115.1 260.35,74.93 250.19,74.93 U115.2
Net-(J115-Pad2): length 6.1
  Top w0.25: J115.2 259.08,73.66 U115.19
Net-(J115-Pad3): length 13.8
  Top w0.25: v1(254.76,66.04) 256.03,67.31 260.35,67.31 J115.3
  Bottom w0.25: U115.5 v1(254.76,66.04)
Net-(J115-Pad4): length 5.1
  Bottom w0.25: J115.4 U115.16
Net-(J115-Pad5): length 13.8
  Top w0.25: J115.5 260.35,64.77 256.03,64.77 v1(254.76,63.5)
  Bottom w0.25: U115.6 v1(254.76,63.5)
Net-(J115-Pad6): length 6.1
  Top w0.25: U115.15 259.08,63.5 J115.6
Net-(J115-Pad7): length 13.8
  Top w0.25: v1(254.76,55.88) 256.03,57.15 260.35,57.15 J115.7
  Bottom w0.25: U115.9 v1(254.76,55.88)
Net-(J115-Pad8): length 5.1
  Bottom w0.25: U115.12 J115.8
Net-(J116-Pad1): length 13.8
  Bottom w0.25: J116.1 260.35,41.91 250.19,41.91 U116.2
Net-(J116-Pad2): length 6.1
  Top w0.25: J116.2 259.08,40.64 U116.19
Net-(J116-Pad3): length 13.8
  Top w0.25: v1(254.76,33.02) 256.03,34.29 260.35,34.29 J116.3
  Bottom w0.25: U116.5 v1(254.76,33.02)
Net-(J116-Pad4): length 5.1
  Bottom w0.25: J116.4 U116.16
Net-(J116-Pad5): length 13.8
  Top w0.25: J116.5 260.35,31.75 256.03,31.75 v1(254.76,30.48)
  Bottom w0.25: U116.6 v1(254.76,30.48)
Net-(J116-Pad6): length 6.1
  Top w0.25: U116.15 259.08,30.48 J116.6
Net-(J116-Pad7): length 13.8
  Top w0.25: v1(254.76,22.86) 256.03,24.13 260.35,24.13 J116.7
  Bottom w0.25: U116.9 v1(254.76,22.86)
Net-(J116-Pad8): length 5.1
  Bottom w0.25: U116.12 J116.8
Net-(J117-Pad1): length 13.8
  Bottom w0.25: J117.1 278.13,140.97 267.97,140.97 U117.2
Net-(J117-Pad2): length 6.1
  Top w0.25: U117.19 276.86,139.7 J117.2
Net-(J117-Pad3): length 13.8
  Top w0.25: v1(272.54,132.08) 273.81,133.35 278.13,133.35 J117.3
  Bottom w0.25: U117.5 v1(272.54,132.08)
Net-(J117-Pad4): length 5.1
  Bottom w0.25: J117.4 U117.16
Net-(J117-Pad5): length 13.8
  Top w0.25: v1(272.54,129.54) 273.81,130.81 278.13,130.81 J117.5
  Bottom w0.25: U117.6 v1(272.54,129.54)
Net-(J117-Pad6): length 6.1
  Top w0.25: U117.15 276.86,129.54 J117.6
Net-(J117-Pad7): length 13.8
  Top w0.25: J117.7 278.13,123.19 273.81,123.19 v1(272.54,121.92)
  Bottom w0.25: U117.9 v1(272.54,121.92)
Net-(J117-Pad8): length 5.1
  Bottom w0.25: U117.12 J117.8
Net-(J118-Pad1): length 13.8
  Bottom w0.25: J118.1 278.13,107.95 267.97,107.95 U118.2
Net-(J118-Pad2): length 6.1
  Top w0.25: U118.19 276.86,106.68 J118.2
Net-(J118-Pad3): length 13.8
  Top w0.25: v1(272.54,99.06) 273.81,100.33 278.13,100.33 J118.3
  Bottom w0.25: U118.5 v1(272.54,99.06)
Net-(J118-Pad4): length 5.1
  Bottom w0.25: J118.4 U118.16
Net-(J118-Pad5): length 13.8
  Top w0.25: v1(272.54,96.52) 273.81,97.79 278.13,97.79 J118.5
  Bottom w0.25: U118.6 v1(272.54,96.52)
Net-(J118-Pad6): length 6.1
  Top w0.25: U118.15 276.86,96.52 J118.6
Net-(J118-Pad7): length 13.8
  Top w0.25: J118.7 278.13,90.17 273.81,90.17 v1(272.54,88.9)
  Bottom w0.25: U118.9 v1(272.54,88.9)
Net-(J118-Pad8): length 5.1
  Bottom w0.25: U118.12 J118.8
Net-(J119-Pad1): length 13.8
  Bottom w0.25: J119.1 278.13,74.93 267.97,74.93 U119.2
Net-(J119-Pad2): length 6.1
  Top w0.25: U119.19 276.86,73.66 J119.2
Net-(J119-Pad3): length 13.8
  Top w0.25: v1(272.54,66.04) 273.81,67.31 278.13,67.31 J119.3
  Bottom w0.25: U119.5 v1(272.54,66.04)
Net-(J119-Pad4): length 5.1
  Bottom w0.25: J119.4 U119.16
Net-(J119-Pad5): length 13.8
  Top w0.25: v1(272.54,63.5) 273.81,64.77 278.13,64.77 J119.5
  Bottom w0.25: U119.6 v1(272.54,63.5)
Net-(J119-Pad6): length 6.1
  Top w0.25: U119.15 276.86,63.5 J119.6
Net-(J119-Pad7): length 13.8
  Top w0.25: J119.7 278.13,57.15 273.81,57.15 v1(272.54,55.88)
  Bottom w0.25: U119.9 v1(272.54,55.88)
Net-(J119-Pad8): length 5.1
  Bottom w0.25: U119.12 J119.8
Net-(J120-Pad1): length 13.8
  Bottom w0.25: J120.1 278.13,41.91 267.97,41.91 U120.2
Net-(J120-Pad2): length 6.1
  Top w0.25: U120.19 276.86,40.64 J120.2
Net-(J120-Pad3): length 13.8
  Top w0.25: v1(272.54,33.02) 273.81,34.29 278.13,34.29 J120.3
  Bottom w0.25: U120.5 v1(272.54,33.02)
Net-(J120-Pad4): length 5.1
  Bottom w0.25: J120.4 U120.16
Net-(J120-Pad5): length 13.8
  Top w0.25: v1(272.54,30.48) 273.81,31.75 278.13,31.75 J120.5
  Bottom w0.25: U120.6 v1(272.54,30.48)
Net-(J120-Pad6): length 6.1
  Top w0.25: U120.15 276.86,30.48 J120.6
Net-(J120-Pad7): length 13.8
  Top w0.25: J120.7 278.13,24.13 273.81,24.13 v1(272.54,22.86)
  Bottom w0.25: U120.9 v1(272.54,22.86)
Net-(J120-Pad8): length 5.1
  Bottom w0.25: U120.12 J120.8
Net-(J121-Pad1): length 13.8
  Bottom w0.25: J121.1 295.91,140.97 285.75,140.97 U121.2
Net-(J121-Pad2): length 6.1
  Bottom w0.25: J121.2 294.64,139.7 U121.19
Net-(J121-Pad3): length 13.8
  Bottom w0.25: U121.5 285.75,132.08 287.02,133.35 295.91,133.35 J121.3
Net-(J121-Pad4): length 5.1
  Bottom w0.25: J121.4 U121.16
Net-(J121-Pad5): length 13.8
  Bottom w0.25: J121.5 295.91,130.81 285.75,130.81 U121.6
Net-(J121-Pad6): length 6.1
  Bottom w0.25: U121.15 294.64,129.54 J121.6
Net-(J121-Pad7): length 13.8
  Bottom w0.25: J121.7 295.91,123.19 287.02,123.19 285.75,121.92 U121.9
Net-(J121-Pad8): length 5.1
  Bottom w0.25: U121.12 J121.8
Net-(J122-Pad1): length 13.8
  Bottom w0.25: J122.1 295.91,107.95 285.75,107.95 U122.2
Net-(J122-Pad2): length 6.1
  Bottom w0.25: U122.19 294.64,106.68 J122.2
Net-(J122-Pad3): length 13.8
  Bottom w0.25: U122.5 285.75,99.06 287.02,100.33 295.91,100.33 J122.3
Net-(J122-Pad4): length 5.1
  Bottom w0.25: J122.4 U122.16
Net-(J122-Pad5): length 13.8
  Bottom w0.25: J122.5 295.91,97.79 285.75,97.79 U122.6
Net-(J122-Pad6): length 6.1
  Bottom w0.25: J122.6 294.64,96.52 U122.15
Net-(J122-Pad7): length 13.8
  Bottom w0.25: J122.7 295.91,90.17 287.02,90.17 285.75,88.9 U122.9
Net-(J122-Pad8): length 5.1
  Bottom w0.25: U122.12 J122.8
Net-(J123-Pad1): length 13.8
  Bottom w0.25: J123.1 295.91,74.93 285.75,74.93 U123.2
Net-(J123-Pad2): length 6.1
  Bottom w0.25: U123.19 294.64,73.66 J123.2
Net-(J123-Pad3): length 13.8
  Bottom w0.25: U123.5 285.75,66.04 287.02,67.31 295.91,67.31 J123.3
Net-(J123-Pad4): length 5.1
  Bottom w0.25: J123.4 U123.16
Net-(J123-Pad5): length 13.8
  Bottom w0.25: J123.5 295.91,64.77 285.75,64.77 U123.6
Net-(J123-Pad6): length 6.1
  Bottom w0.25: J123.6 294.64,63.5 U123.15
Net-(J123-Pad7): length 13.8
  Bottom w0.25: J123.7 295.91,57.15 287.02,57.15 285.75,55.88 U123.9
Net-(J123-Pad8): length 5.1
  Bottom w0.25: U123.12 J123.8
Net-(J124-Pad1): length 13.8
  Bottom w0.25: J124.1 295.91,41.91 285.75,41.91 U124.2
Net-(J124-Pad2): length 6.1
  Bottom w0.25: U124.19 294.64,40.64 J124.2
Net-(J124-Pad3): length 13.8
  Bottom w0.25: U124.5 285.75,33.02 287.02,34.29 295.91,34.29 J124.3
Net-(J124-Pad4): length 5.1
  Bottom w0.25: J124.4 U124.16
Net-(J124-Pad5): length 13.8
  Bottom w0.25: J124.5 295.91,31.75 285.75,31.75 U124.6
Net-(J124-Pad6): length 6.1
  Bottom w0.25: J124.6 294.64,30.48 U124.15
Net-(J124-Pad7): length 13.8
  Bottom w0.25: J124.7 295.91,24.13 287.02,24.13 285.75,22.86 U124.9
Net-(J124-Pad8): length 5.1
  Bottom w0.25: U124.12 J124.8

## Copper pours and planes (outline as drawn; the poured copper is in the pictures)
GND on Top: 303.53,1.27 1.27,1.27 1.27,295.91 303.53,295.91
GND on Bottom: 303.53,1.27 1.27,1.27 1.27,295.91 303.53,295.91

## Text on the board
F.SilkS: D0 | D1 | D2 | D3 | D4 | D5 | D6 | D7 | D8 | D9 | D10 | D11 | D12 | D13 | D14 | D15 | D16 | D17 | D18 | D19 | D20 | D21 | D22 | D23 | D24 | D25 | D26 | D27 | D28 | D29 | D30 | D31 | D0 ~ D7 / ↓ | D8 ~ D15 / ↓ | D16 ~ D23 / ↓ | D24 ~ D31 / ↓ | +5V | GND | N/C | W16 | W1 | W17 | W2 | W18 | W3 | W19 | W4 | W20 | W5 | W21 | W6 | W22 | W7 | W23 | W8 | W24 | W9 | W25 | W10 | W26 | W11 | W27 | W12 | W28 | W13 | W29 | W14 | W30 | W15 | W31 | R16 | R1 | R17 | R2 | R18 | R3 | R19 | R4 | R20 | R5 | R21 | R6 | R22 | R7 | R23 | R8 | R24 | R9 | R25 | R10 | R26 | R11 | R27 | R12 | R28 | R13 | R29 | R14 | R30 | R15 | R31 | TTL RISC-V Register Bank
